# KiCad board Swadge-HW.kicad_pcb
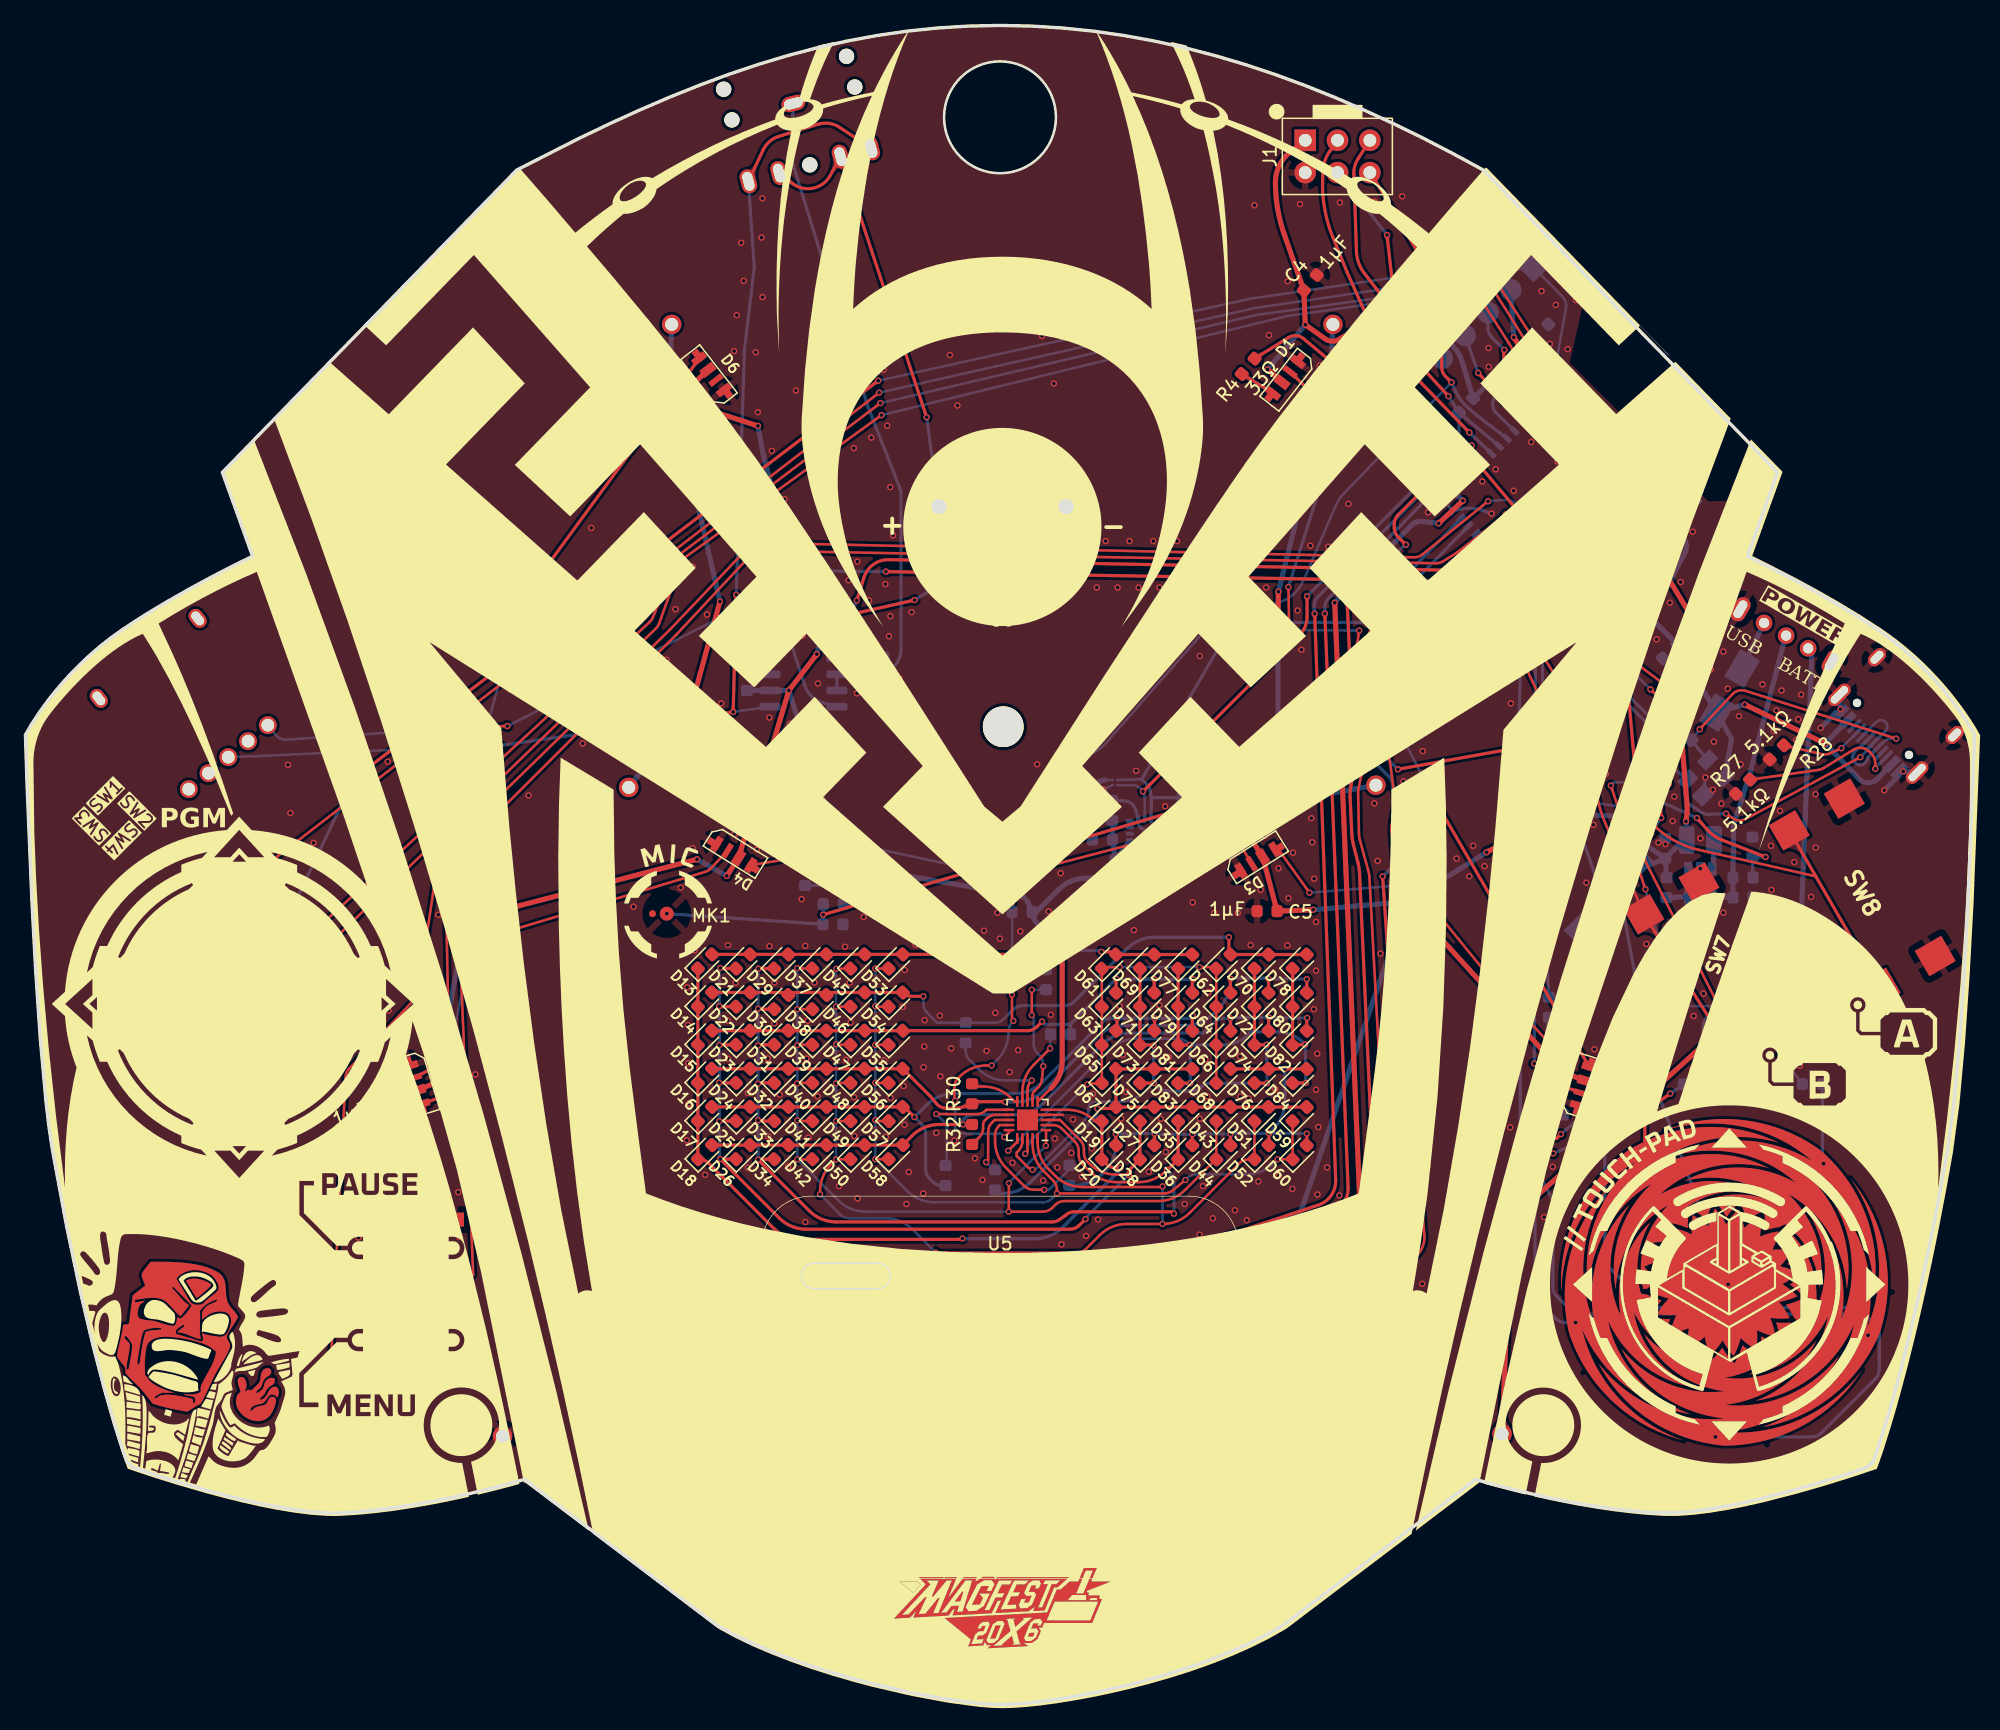
[diagram p0: board, top side]
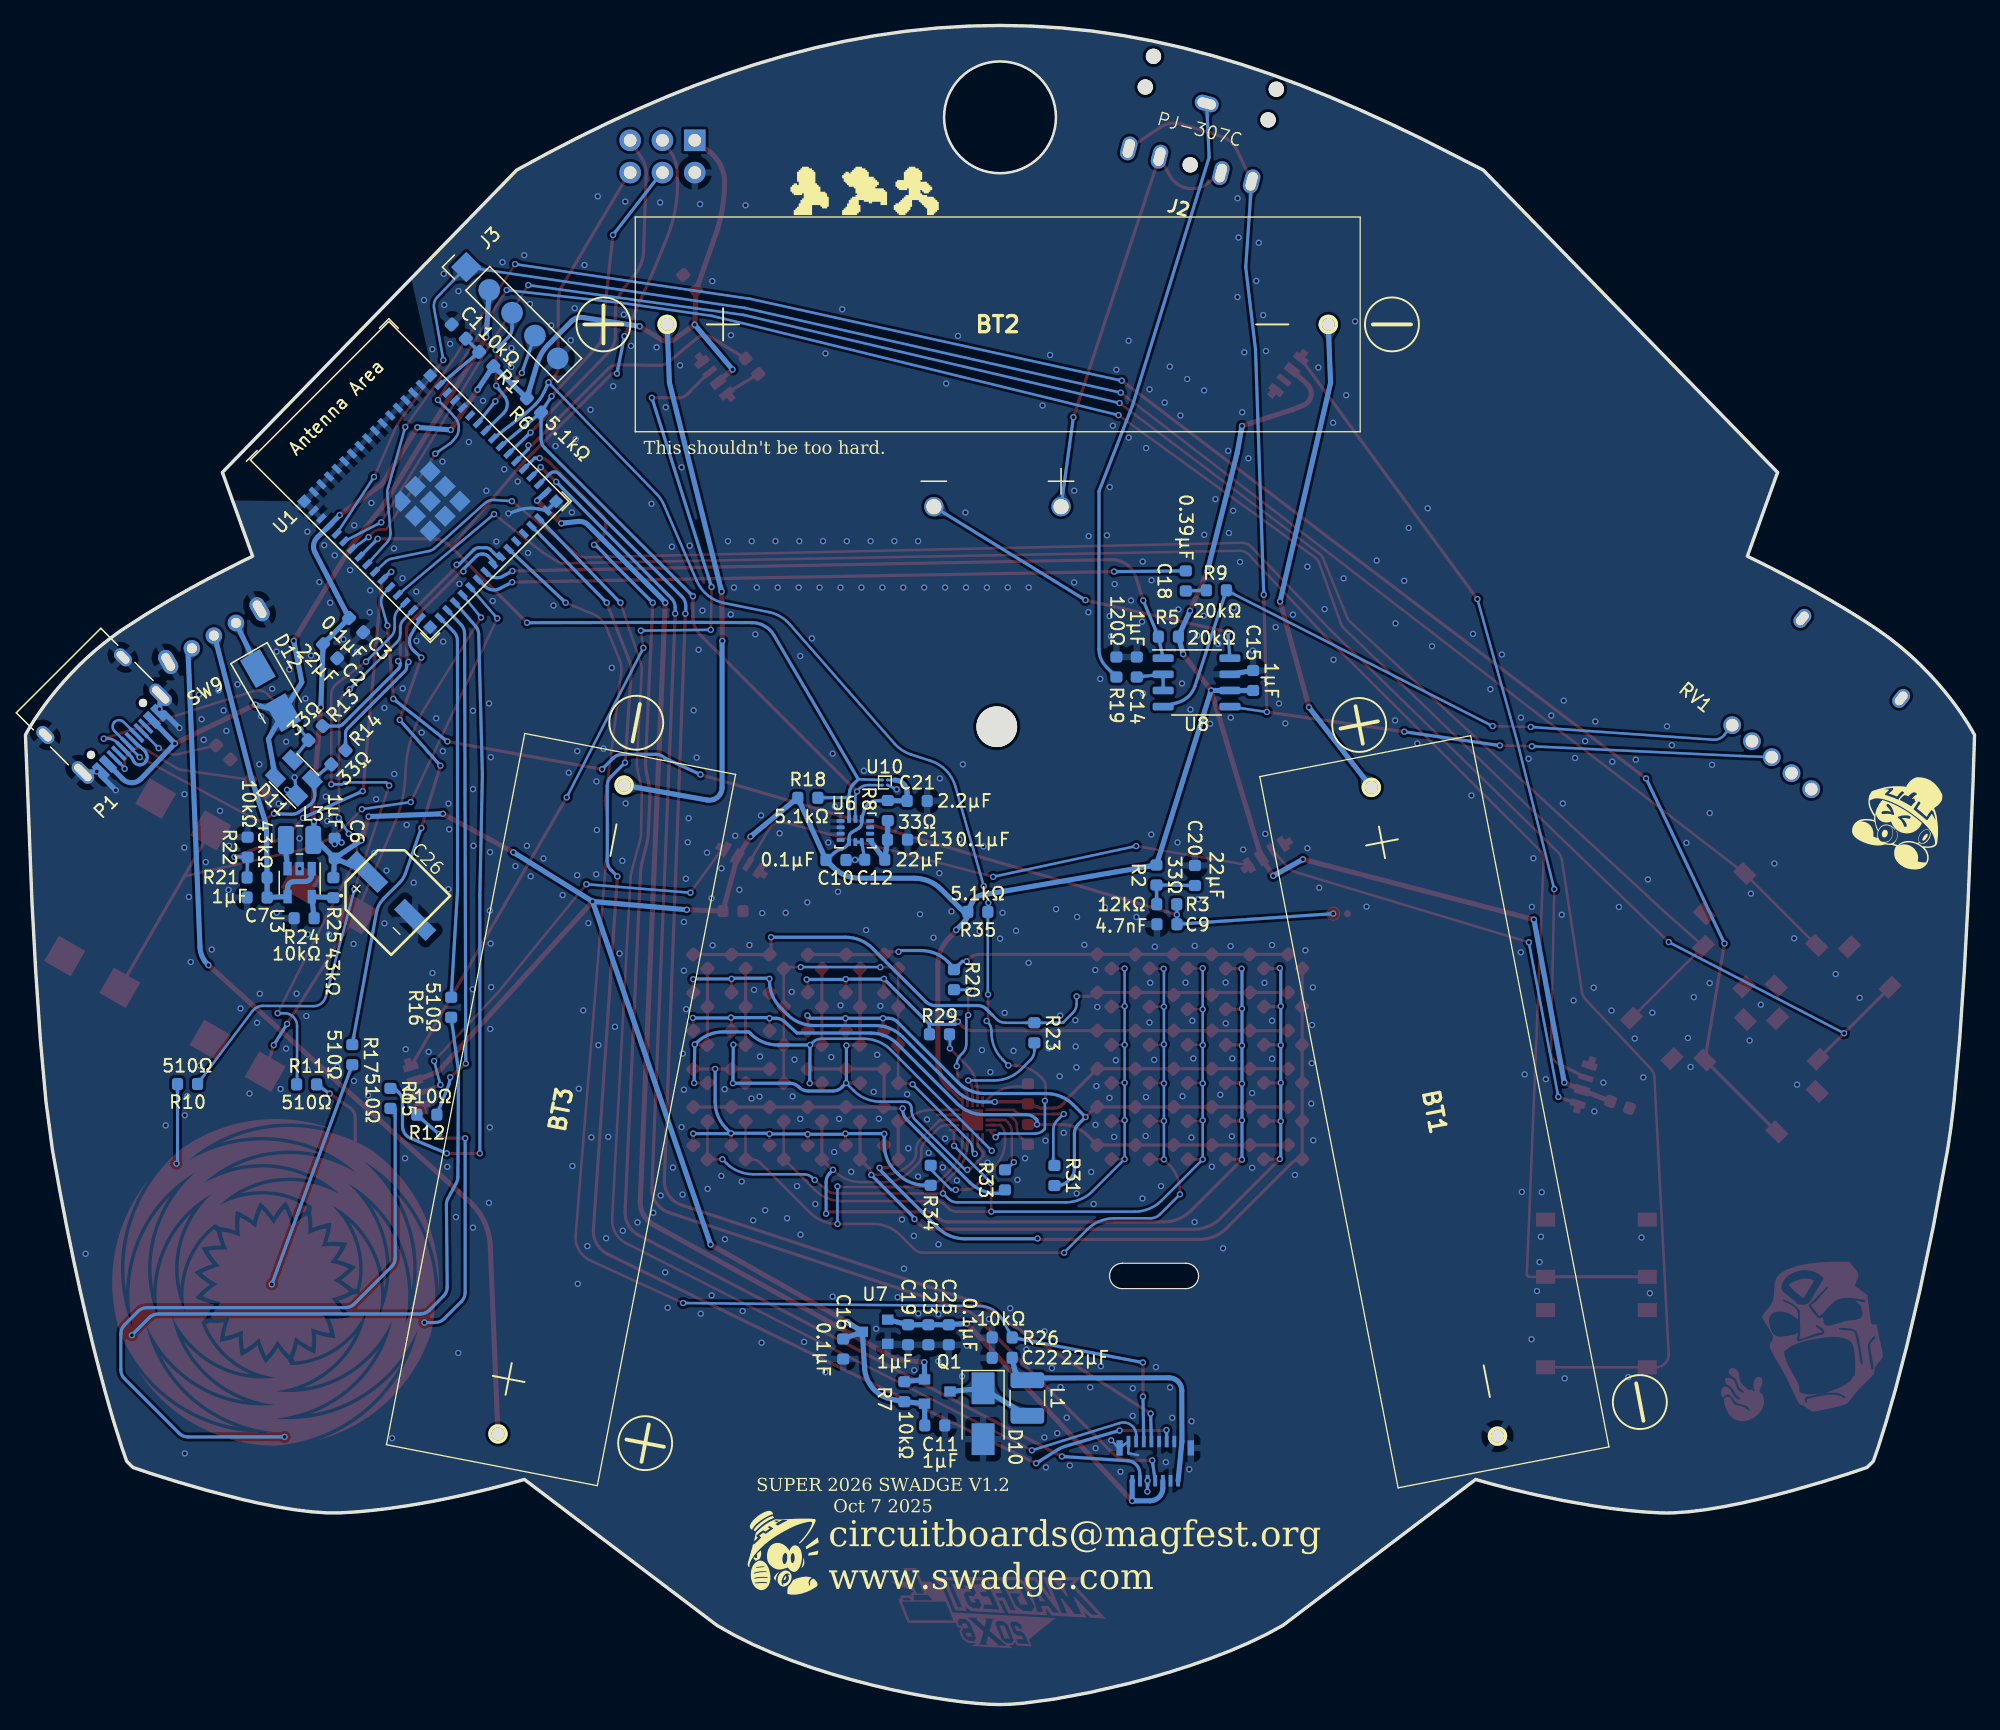
[diagram p1: board, bottom side, seen from below]

Outline 153.26 x 132.1 mm; copper layers: Top, Bottom. Coordinates in mm from the lower left corner of the outline.
Outline path: circle c76.63,124.87 r4.4

## Placement (name value [footprint] x y rotation side)
BT1  Battery  [2460]  42.47 46.64 79 bottom
BT2  Battery  [2460]  76.81 108.58 0 bottom
BT3  Battery  [2460]  111.14 46.81 281 bottom
C1  1μF  [C_0603_1608Metric]  119.19 108.02 45 bottom
C2  22μF  [C_0603_1608Metric]  129.3 82.87 225 bottom
C3  0.1μF  [C_0603_1608Metric]  127.25 84.92 225 bottom
C4  1μF  [C_0603_1608Metric]  101.03 111.86 50 top
C5  1μF  [C_0603_1608Metric]  97.63 62.42 180 top
C6  1μF  [C_0603_1608Metric]  128.94 67.36 90 bottom
C7  1μF  [C_0603_1608Metric]  135.04 63.49 0 bottom
C9  4.7nF  [C_0603_1608Metric]  63.5 61.39 180 bottom
C10  0.1μF  [C_0603_1608Metric]  89.53 66.44 180 bottom
C11  1μF  [C_0603_1608Metric]  81.76 21.96 180 bottom
C12  22μF  [C_0603_1608Metric]  86.48 66.46 0 bottom
C13  0.1μF  [C_0603_1608Metric]  84.69 68.04 180 bottom
C14  1μF  [C_0603_1608Metric]  65.88 81.63 270 bottom
C15  1μF  [C_0603_1608Metric]  56.73 80.56 90 bottom
C16  0.1μF  [C_0603_1608Metric]  88.96 27.97 270 bottom
C17  1μF  [C_0603_1608Metric]  27.88 47.18 200 top
C18  0.39μF  [C_0603_1608Metric]  62.02 88.4 90 bottom
C19  1μF  [C_0603_1608Metric]  83.86 29.09 270 bottom
C20  22μF  [C_0603_1608Metric]  61.3 65.22 90 bottom
C21  2.2μF  [C_0603_1608Metric]  83.14 71.09 180 bottom
C22  22μF  [C_0603_1608Metric]  76.46 27.28 0 bottom
C23  0.1μF  [C_0603_1608Metric]  82.26 29.09 270 bottom
C25  0.1μF  [C_0603_1608Metric]  80.66 29.09 270 bottom
C26  C_Polarized_US  [C_Radial_D6.3_L5.8_P5.34]  124.5 63.62 225 bottom  (not fitted)
D1  SK6812-SIDE-A  [SK6812_SIDE_2]  99.09 104.38 52 top
D2  SK6812-SIDE-A  [SK6812_SIDE_2]  122.51 48.65 253 top
D3  SK6812-SIDE-A  [SK6812_SIDE_2]  96.9 66.45 212 top
D4  SK6812-SIDE-A  [SK6812_SIDE_2]  55.7 66.87 148 top
D5  SK6812-SIDE-A  [SK6812_SIDE_2]  30.74 48.77 107 top
D6  SK6812-SIDE-A  [SK6812_SIDE_2]  53.94 104.65 308 top
D10  D  [D_SMA]  77.96 22.88 270 bottom
D11  SP0503BAHT  [SOT-143]  132.15 72.86 45 bottom
D12  D  [D_SMA]  133.98 79.77 240 bottom
D13  A-SP192GB1D-A02-4T  [LED_0603_1608Metric]  53.43 58.46 45 top
D14  A-SP192GB1D-A02-4T  [LED_0603_1608Metric]  53.43 55.46 45 top
D15  A-SP192GB1D-A02-4T  [LED_0603_1608Metric]  53.43 52.46 45 top
D16  A-SP192GB1D-A02-4T  [LED_0603_1608Metric]  53.43 49.46 45 top
D17  A-SP192GB1D-A02-4T  [LED_0603_1608Metric]  53.43 46.46 45 top
D18  A-SP192GB1D-A02-4T  [LED_0603_1608Metric]  53.43 43.46 45 top
D19  A-SP192GB1D-A02-4T  [LED_0603_1608Metric]  85.19 46.45 45 top
D20  A-SP192GB1D-A02-4T  [LED_0603_1608Metric]  85.19 43.45 45 top
D21  A-SP192GB1D-A02-4T  [LED_0603_1608Metric]  56.43 58.46 45 top
D22  A-SP192GB1D-A02-4T  [LED_0603_1608Metric]  56.43 55.46 45 top
D23  A-SP192GB1D-A02-4T  [LED_0603_1608Metric]  56.43 52.46 45 top
D24  A-SP192GB1D-A02-4T  [LED_0603_1608Metric]  56.43 49.46 45 top
D25  A-SP192GB1D-A02-4T  [LED_0603_1608Metric]  56.43 46.46 45 top
D26  A-SP192GB1D-A02-4T  [LED_0603_1608Metric]  56.43 43.46 45 top
D27  A-SP192GB1D-A02-4T  [LED_0603_1608Metric]  88.19 46.45 45 top
D28  A-SP192GB1D-A02-4T  [LED_0603_1608Metric]  88.19 43.45 45 top
D29  A-SP192GB1D-A02-4T  [LED_0603_1608Metric]  59.43 58.46 45 top
D30  A-SP192GB1D-A02-4T  [LED_0603_1608Metric]  59.43 55.26 45 top
D31  A-SP192GB1D-A02-4T  [LED_0603_1608Metric]  59.43 52.46 45 top
D32  A-SP192GB1D-A02-4T  [LED_0603_1608Metric]  59.43 49.46 45 top
D33  A-SP192GB1D-A02-4T  [LED_0603_1608Metric]  59.43 46.46 45 top
D34  A-SP192GB1D-A02-4T  [LED_0603_1608Metric]  59.43 43.46 45 top
D35  A-SP192GB1D-A02-4T  [LED_0603_1608Metric]  91.19 46.45 45 top
D36  A-SP192GB1D-A02-4T  [LED_0603_1608Metric]  91.19 43.45 45 top
D37  A-SP192GB1D-A02-4T  [LED_0603_1608Metric]  62.43 58.46 45 top
D38  A-SP192GB1D-A02-4T  [LED_0603_1608Metric]  62.43 55.26 45 top
D39  A-SP192GB1D-A02-4T  [LED_0603_1608Metric]  62.43 52.46 45 top
D40  A-SP192GB1D-A02-4T  [LED_0603_1608Metric]  62.43 49.46 45 top
D41  A-SP192GB1D-A02-4T  [LED_0603_1608Metric]  62.43 46.46 45 top
D42  A-SP192GB1D-A02-4T  [LED_0603_1608Metric]  62.43 43.46 45 top
D43  A-SP192GB1D-A02-4T  [LED_0603_1608Metric]  94.19 46.45 45 top
D44  A-SP192GB1D-A02-4T  [LED_0603_1608Metric]  94.19 43.45 45 top
D45  A-SP192GB1D-A02-4T  [LED_0603_1608Metric]  65.43 58.46 45 top
D46  A-SP192GB1D-A02-4T  [LED_0603_1608Metric]  65.43 55.46 45 top
D47  A-SP192GB1D-A02-4T  [LED_0603_1608Metric]  65.43 52.46 45 top
D48  A-SP192GB1D-A02-4T  [LED_0603_1608Metric]  65.43 49.46 45 top
D49  A-SP192GB1D-A02-4T  [LED_0603_1608Metric]  65.43 46.46 45 top
D50  A-SP192GB1D-A02-4T  [LED_0603_1608Metric]  65.43 43.46 45 top
D51  A-SP192GB1D-A02-4T  [LED_0603_1608Metric]  97.19 46.45 45 top
D52  A-SP192GB1D-A02-4T  [LED_0603_1608Metric]  97.19 43.45 45 top
D53  A-SP192GB1D-A02-4T  [LED_0603_1608Metric]  68.43 58.46 45 top
D54  A-SP192GB1D-A02-4T  [LED_0603_1608Metric]  68.43 55.46 45 top
D55  A-SP192GB1D-A02-4T  [LED_0603_1608Metric]  68.43 52.46 45 top
D56  A-SP192GB1D-A02-4T  [LED_0603_1608Metric]  68.43 49.46 45 top
D57  A-SP192GB1D-A02-4T  [LED_0603_1608Metric]  68.43 46.46 45 top
D58  A-SP192GB1D-A02-4T  [LED_0603_1608Metric]  68.43 43.46 45 top
D59  A-SP192GB1D-A02-4T  [LED_0603_1608Metric]  100.19 46.45 45 top
D60  A-SP192GB1D-A02-4T  [LED_0603_1608Metric]  100.19 43.45 45 top
D61  A-SP192GB1D-A02-4T  [LED_0603_1608Metric]  85.19 58.45 45 top
D62  A-SP192GB1D-A02-4T  [LED_0603_1608Metric]  94.19 58.45 45 top
D63  A-SP192GB1D-A02-4T  [LED_0603_1608Metric]  85.19 55.45 45 top
D64  A-SP192GB1D-A02-4T  [LED_0603_1608Metric]  94.19 55.45 45 top
D65  A-SP192GB1D-A02-4T  [LED_0603_1608Metric]  85.19 52.45 45 top
D66  A-SP192GB1D-A02-4T  [LED_0603_1608Metric]  94.19 52.45 45 top
D67  A-SP192GB1D-A02-4T  [LED_0603_1608Metric]  85.19 49.45 45 top
D68  A-SP192GB1D-A02-4T  [LED_0603_1608Metric]  94.19 49.45 45 top
D69  A-SP192GB1D-A02-4T  [LED_0603_1608Metric]  88.19 58.45 45 top
D70  A-SP192GB1D-A02-4T  [LED_0603_1608Metric]  97.19 58.45 45 top
D71  A-SP192GB1D-A02-4T  [LED_0603_1608Metric]  88.19 55.45 45 top
D72  A-SP192GB1D-A02-4T  [LED_0603_1608Metric]  97.19 55.45 45 top
D73  A-SP192GB1D-A02-4T  [LED_0603_1608Metric]  88.19 52.45 45 top
D74  A-SP192GB1D-A02-4T  [LED_0603_1608Metric]  97.19 52.45 45 top
D75  A-SP192GB1D-A02-4T  [LED_0603_1608Metric]  88.19 49.45 45 top
D76  A-SP192GB1D-A02-4T  [LED_0603_1608Metric]  97.19 49.45 45 top
D77  A-SP192GB1D-A02-4T  [LED_0603_1608Metric]  91.19 58.45 45 top
D78  A-SP192GB1D-A02-4T  [LED_0603_1608Metric]  100.19 58.45 45 top
D79  A-SP192GB1D-A02-4T  [LED_0603_1608Metric]  91.19 55.45 45 top
D80  A-SP192GB1D-A02-4T  [LED_0603_1608Metric]  100.19 55.45 45 top
D81  A-SP192GB1D-A02-4T  [LED_0603_1608Metric]  91.19 52.45 45 top
D82  A-SP192GB1D-A02-4T  [LED_0603_1608Metric]  100.19 52.45 45 top
D83  A-SP192GB1D-A02-4T  [LED_0603_1608Metric]  91.19 49.45 45 top
D84  A-SP192GB1D-A02-4T  [LED_0603_1608Metric]  100.19 49.45 45 top
J1  Conn_02x03_Odd_Even  [PinSocket_2x03_P2.54mm_Vertical]  100.63 123.06 90 top
J2  -  [PJ-307C]  60.38 125.96 195 bottom
J3  Conn_01x05_Male  [PinHeader_1x05_P2.54mm_Vertical]  118.59 113.09 135 bottom  (not fitted)
L1  33uH_500mA  [L_1210_3225Metric]  74.48 24.12 90 bottom
L3  2.2uH  [L_1008_2520Metric]  131.7 68.02 0 bottom
MK1  Microphone  [INGHAi_MIC_GMI4013S-2C58DB]  50.43 62.22 0 top
N1  Board Outline & Acrylic  [HEAD OUTLINE AND ACRYLIC]  76.63 66.05 0 top  (not fitted)
P1  USB_C_Plug_USB2.0  [USB_C_Receptacle_HRO_TYPE-C-31-M-12]  147.9 78.59 315 bottom
Q1  Q_PMOS_GSD  [SOT-23]  81.56 24.63 180 bottom
R1  10kΩ  [R_0603_1608Metric]  117.02 105.85 45 bottom
R2  33Ω  [R_0603_1608Metric]  64.33 65.26 90 bottom
R3  12kΩ  [R_0603_1608Metric]  63.52 62.96 180 bottom
R4  33Ω  [R_0603_1608Metric]  96.14 105.28 50 top
R5  20kΩ  [R_0603_1608Metric]  63.39 84.01 0 bottom
R6  5.1kΩ  [R_0603_1608Metric]  113.27 102.2 45 bottom
R7  10kΩ  [R_0603_1608Metric]  84.15 24.61 90 bottom
R8  33Ω  [R_0603_1608Metric]  85.45 70.34 90 bottom
R9  20kΩ  [R_0603_1608Metric]  59.62 87.66 180 bottom
R10  510Ω  [R_0603_1608Metric]  140.51 48.82 0 bottom
R11  510Ω  [R_0603_1608Metric]  131.15 48.79 180 bottom
R12  510Ω  [R_0603_1608Metric]  121.7 46.4 0 bottom
R13  33Ω  [R_0603_1608Metric]  130.44 76.42 315 bottom
R14  33Ω  [R_0603_1608Metric]  128.64 74.52 315 bottom
R15  510Ω  [R_0603_1608Metric]  124.56 47.69 270 bottom
R16  510Ω  [R_0603_1608Metric]  119.78 54.85 270 bottom
R17  510Ω  [R_0603_1608Metric]  127.56 51.13 270 bottom
R18  5.1kΩ  [R_0603_1608Metric]  91.74 71.34 180 bottom
R19  120Ω  [R_0603_1608Metric]  67.48 81.63 270 bottom
R20  22/33  [R_0603_1608Metric]  80.25 57.03 270 bottom
R21  43kΩ  [R_0603_1608Metric]  135.04 65.06 180 bottom
R22  10kΩ  [R_0603_1608Metric]  135.79 67.45 90 bottom
R23  22/33  [R_0603_1608Metric]  73.93 52.85 270 bottom
R24  10kΩ  [R_0603_1608Metric]  131.34 61.86 180 bottom
R25  43kΩ  [R_0603_1608Metric]  129.04 64.26 90 bottom
R26  10kΩ  [R_0603_1608Metric]  76.46 28.88 0 bottom
R27  5.1kΩ  [R_0603_1608Metric]  135.04 72.21 45 top
R28  5.1kΩ  [R_0603_1608Metric]  137.71 74.91 45 top
R29  22/33  [R_0603_1608Metric]  81.39 52.73 180 bottom
R30  22/33  [R_0603_1608Metric]  74.43 48.05 90 top
R31  22/33  [R_0603_1608Metric]  72.35 41.62 270 bottom
R32  22/33  [R_0603_1608Metric]  74.43 44.85 90 top
R33  22/33  [R_0603_1608Metric]  76.24 41.28 270 bottom
R34  22/33  [R_0603_1608Metric]  82.08 41.64 270 bottom
R35  5.1kΩ  [R_0603_1608Metric]  78.37 62.36 0 bottom
REF**  -  [MountingHole_3.2mm_M3]  76.88 76.93 0 top
RV1  R_Potentiometer_US_SMD  [RK10J11E0034]  11.23 80.36 219 bottom
SW1  -  [YTS-D003-1A]  16.83 60.96 45 top
SW2  -  [YTS-D003-1A]  22.55 55.24 315 top
SW3  -  [YTS-D003-1A]  11.06 55.19 135 top
SW4  -  [YTS-D003-1A]  16.78 49.47 225 top
SW5  -  [YTS-D003-1A]  29.73 28.78 180 top
SW6  -  [YTS-D003-1A]  29.73 35.9 180 top
SW7  B3FS-4002P  [B3FS4002P]  133.56 56.26 300 top
SW8  B3FS-4002P  [B3FS4002P]  144.99 62.86 300 top
SW9  SW_SPDT_1825232-1  [1825232-1]  138.44 84.09 330 bottom
U1  -  [ESP32-S2-MINI-1]  121.43 94.66 135 bottom
U2  RB017A1505A  [NULL]  -103.02 36.76 0 top
U3  M3410  [SOT-23-5]  131.69 64.66 270 bottom
U4  ~  [Touchpad_6_70]  133.59 33.22 0 top
U5  RB017A1505A_Connector  [HCTL HC-FPC-03-10-15RLTAG-TUCKED]  76.63 24.96 0 top
U6  LSM6DSL  [LGA-14_3x2.5mm_P0.5mm_LayoutBorder3x4y]  88 68.76 180 bottom
U7  GENERIC_LDO_GOI  [SOT-23]  86.46 29.33 0 bottom
U8  FM8002A  [SOP-8_3.9x4.9mm_P1.27mm]  61.18 80.41 180 bottom
U9  INGHAi_GSPK2307P-8R1W  [INGHAi GSPK2308P-8R0.5W]  76.83 94.24 0 top
U10  ~  [BGA-4-.83x.83]  85.68 72.54 0 bottom
U11  CH32V003F4U6  [QFN-20-1EP_3x3mm_P0.4mm_EP1.65x1.65mm]  78.79 45.99 180 top

## Library data of the parts
BT1-BT3 = -: Datasheet: https://www.keyelco.com/userAssets/file/M65p28.pdf; Description: BATT HOLDER AA 1 CELL PC PIN; Digikey: 36-2460-ND; Cost100: 116; Substitutable: Y; Notes: Use through-hole AA Battery Holder in Style of Keystone 2460. Two fins hold batteries, not four fins.; Cost @ 2.5k: 0.11; ki_fp_filters: Swadge_Parts:BCAAPC
C1 C4-C6 C11 C14 C15 C17 C19 = -: Description: Unpolarized capacitor; Cost100: 10; Substitutable: Y; LCSC: C15849; Cost @ 2.5k: 0.0035; ki_fp_filters: Swadge_Parts:C_0603_1608Metric
C2 C7 C12 C20 C22 = -: Description: Unpolarized capacitor; Cost100: 10; Substitutable: Y; LCSC: C159801; Cost @ 2.5k: 0.0079; ki_fp_filters: Swadge_Parts:C_0603_1608Metric
C3 C10 C13 C16 C23 C25 = -: Description: Unpolarized capacitor; Cost100: 10; Substitutable: Y; LCSC: C282519; Cost @ 2.5k: 0.0015; ki_fp_filters: Swadge_Parts:C_0603_1608Metric
C9 = -: Description: Unpolarized capacitor; Cost100: 10; Substitutable: Y; LCSC: C53987; Cost @ 2.5k: 0.002; ki_fp_filters: Swadge_Parts:C_0603_1608Metric
C18 = -: Description: Unpolarized capacitor; Cost100: 10; Substitutable: Y; LCSC: C376833; Cost @ 2.5k: 0.0071; ki_fp_filters: Swadge_Parts:C_0603_1608Metric
C21 = -: Description: Unpolarized capacitor; Cost100: 10; Substitutable: Y; LCSC: C6119848; Cost @ 2.5k: 0.0015; ki_fp_filters: Swadge_Parts:C_0603_1608Metric
C26 = -: Description: Polarized capacitor, US symbol; Cost100: 31; Substitutable: Y; LCSC: C7465562; Cost @ 2.5k: 0.031; ki_fp_filters: CP_*
D1-D6 = -: Datasheet: https://datasheet.lcsc.com/lcsc/2108251530_OPSCO-Optoelectronics-SK6812SIDE-A-RVS_C2890037.pdf; Digikey: 1528-4691-ND; Substitutable: Y; LCSC: C2890037; Cost @ 2.5k: 0.0352
D10 D12 = -: Datasheet: https://datasheet.lcsc.com/lcsc/1810192041_MDD-Microdiode-Electronics--SS54_C22452.pdf; Description: Diode; Digikey: 2616-GS1J-ND; Cost100: 9; Substitutable: Y; LCSC: C22452; Cost @ 2.5k: 0.0254; ki_fp_filters: TO-???* *_Diode_* *SingleDiode* D_*
D11 = -: Datasheet: https://datasheet.lcsc.com/lcsc/2108132030_TECH-PUBLIC-TPSP0503BAHTG_C2682275.pdf; Description: TVS Diode Array, 5.5V Standoff, 3 Channels, SOT-143 package; Digikey: F2715CT-ND; Cost100: 95; Substitutable: Y; LCSC: C2682275; Cost @ 2.5k: 0.0481; ki_fp_filters: Swadge_Parts:SOT-143
D13-D84 = -: Datasheet: https://lcsc.com/product-detail/LED-Indication-Discrete_Amicc-A-SP192GB1D-A02-4T_C5355458.html; Description: 20mA 1420mcd -40℃~+85℃ op View Mount Ice Blue 130° 75mW 2.8V~3.3V 0603 LED Indication - Discrete ROHS; LCSC: C5355458; ki_fp_filters: LED*5.0mm*IRGrey*
J1 = -: LCSC: C92272; Digikey: SFH11-PBPC-D03-ST-BK-ND; Cost100: 0.0109; Notes: DNP; Substitutable: Y; Cost @ 2.5k: 0.0471; ki_fp_filters: Connector*:*_2x??_*
J2 = -: Datasheet: https://datasheet.lcsc.com/lcsc/1811040611_BOOMELE-Boom-Precision-Elec-PJ-307C_C16684.pdf; LCSC: C16684; Cost @ 2.5k: 0.0261
J3 = -: Datasheet: https://datasheet.lcsc.com/lcsc/1912111437_PINREX-210-91-05GB03_C390683.pdf; Description: Generic connector, single row, 01x05, script generated (kicad-library-utils/schlib/autogen/connector/); LCSC: C390683; Notes: DNP; Substitutable: Y; ki_fp_filters: Connector*:*_1x??_*
L1 = -: Description: Inductor; LCSC: C90317; Cost100: 11.16; Substitutable: Y; Cost @ 2.5k: 0.0545; ki_fp_filters: Choke_* *Coil* Inductor_* L_*
L3 = -: Description: Inductor; LCSC: C216158; Cost100: 0.019; Substitutable: Y; Cost @ 2.5k: 0.0331; ki_fp_filters: Choke_* *Coil* Inductor_* L_*
MK1 = -: Datasheet: https://www.lcsc.com/datasheet/C529869.pdf; Cost100: 0.11; LCSC: C529869; Substitutable: N; Cost @ 2.5k: .1579; ki_fp_filters: Swadge_Parts:CMA-4544PF-W
P1 = -: Datasheet: https://datasheet.lcsc.com/lcsc/2108131730_Korean-Hroparts-Elec-TYPE-C-31-M-12_C165948.pdf; Description: USB 2.0-only Type-C Plug connector; Cost100: 7.19; LCSC: C2765186; Notes: https://www.usb.org/sites/default/files/documents/usb_type-c.zip; Substitutable: Y; Cost @ 2.5k: 0.0334; ki_fp_filters: USB*C*Plug*
Q1 = -: Datasheet: https://datasheet.lcsc.com/lcsc/2104011233_ALLPOWER-ShenZhen-Quan-Li-Semiconductor-AP2301B_C2763847.pdf; Description: P-MOSFET transistor, gate/source/drain; LCSC: C2763847; Cost100: 1.54; Substitutable: Y; Cost @ 2.5k: 0.0226
R1 R7 R22 R24 R26 = -: Description: Resistor US symbol; Cost100: 10; Substitutable: Y; LCSC: C25804; Cost @ 2.5k: 0.0007; ki_fp_filters: Swadge_Parts:R_0603_1608Metric
R2 R4 R8 R13 R14 = -: Description: Resistor US symbol; Cost100: 10; Substitutable: Y; LCSC: C23140; Cost @ 2.5k: 0.0008; ki_fp_filters: Swadge_Parts:R_0603_1608Metric
R3 = -: Description: Resistor US symbol; Cost100: 10; Substitutable: Y; LCSC: C22790; Cost @ 2.5k: 0.0008; ki_fp_filters: Swadge_Parts:R_0603_1608Metric
R5 R9 = -: Description: Resistor US symbol; Cost100: 10; Substitutable: Y; LCSC: C2907011; Cost @ 2.5k: 0.0007; ki_fp_filters: Swadge_Parts:R_0603_1608Metric
R6 R18 R35 = -: Description: Resistor US symbol; Cost100: 10; Substitutable: Y; LCSC: C23186; Cost @ 2.5k: 0.0007; ki_fp_filters: Swadge_Parts:R_0603_1608Metric
R10-R12 R15-R17 = -: Description: Resistor US symbol; Cost100: 10; Substitutable: Y; LCSC: C2907048; Cost @ 2.5k: 0.0007; ki_fp_filters: Swadge_Parts:R_0603_1608Metric
R19 = -: Description: Resistor US symbol; Cost100: 10; Substitutable: Y; LCSC: C313655; Cost @ 2.5k: 0.0007; ki_fp_filters: Swadge_Parts:R_0603_1608Metric
R20 R23 R29-R34 = -: Description: Resistor US symbol; Cost100: 10; Substitutable: Y; LCSC: C2907129; Cost @ 2.5k: 0.0007; ki_fp_filters: Swadge_Parts:R_0603_1608Metric
R21 R25 = -: Description: Resistor US symbol; Cost100: 10; Substitutable: Y; LCSC: C23172; Cost @ 2.5k: 0.0008; ki_fp_filters: Swadge_Parts:R_0603_1608Metric
R27 R28 = -: Description: Resistor US symbol; Cost100: 10; Substitutable: Y; LCSC: C23186; Cost @ 2.5k: 0.0008; ki_fp_filters: Swadge_Parts:R_0603_1608Metric
RV1 = -: Datasheet: https://www.lcsc.com/datasheet/C470643.pdf; Description: ±30% 30mW 10kΩ Through Hole-5P,14x1.8mm Potentiometers, Variable Resistors ROHS; LCSC: C470643; Cost @ 2.5k: .8437; ki_fp_filters: Potentiometer*
SW1-SW6 = -: Datasheet: https://datasheet.lcsc.com/lcsc/2111291730_YIYUAN-YTS-D003-1A_C2910918.pdf; Digikey: 2223-TS04-66-65-BK-100-SMT-ND; Cost100: 1; Substitutable: Y; Notes: Use low operating force (100gf) SMT box tactile buttons; LCSC: C2910918; Cost @ 2.5k: 0.0155; ki_fp_filters: Swadge_Parts:SW_4-1437565-2
SW7 SW8 = -: Datasheet: https://datasheet.lcsc.com/lcsc/1912111437_XUNPU-TS-1003S-04526_C455218.pdf; Description: Black Cap Tactile Switch, SPST-NO 50 mA @ 24 V dc 0.4mm; Digikey: SW1278CT-ND; Cost100: 76; Substitutable: Y; Notes: Use standard 12mmx12mm SMT box tactile buttons with flat top. Similar to TL3300DF160Q.; LCSC: C5377634; Cost @ 2.5k: 0.0461
SW9 = -: Datasheet: https://datasheet.lcsc.com/lcsc/1912111437_SHOU-HAN-SK12D07VG4_C393937.pdf; Description: Slide Switch SPDT Through Hole, Right Angle; Cost100: 45; Digikey: A107673-ND; LCSC: C393937; Notes: Use SPDT slide switch. Similar to 1825232-1; Substitutable: Y; Cost @ 2.5k: 0.0123; ki_fp_filters: Swadge_Parts:SW_SPDT_PCM12
U1 = -: Datasheet: https://www.espressif.com/sites/default/files/documentation/esp32-s2-mini-1_esp32-s2-mini-1u_datasheet_en.pdf; Description: ESP32-S2-MINI-1 and ESP32-S2-MINI-1U are two powerful, generic Wi-Fi MCU modules that have a rich set of peripherals. They are an ideal choice for a wide variety of application scenarios relating to Internet of Things (IoT), wearable electronics and smart home.; Notes: Use module w. 4MB Flash, 2MB PSRAM (N4R2); LCSC: C3013908; Cost @ 2.5k: 2.0267
U2 = -: Datasheet: https://drive.google.com/file/d/1NLfZcvebjaLV-Czjnykhp9hAcljS5bjG/view?usp=sharing; Description: 240x280 color TFT with rounded corners; Notes: Display; Digikey: http://www.ronboe.com/index.html; Cost100: 250; Substitutable: N; Cost @ 2.5k: 3.00